# Altium PCB TK2560_PCB.PcbDoc (part 2 of 3) (continued)
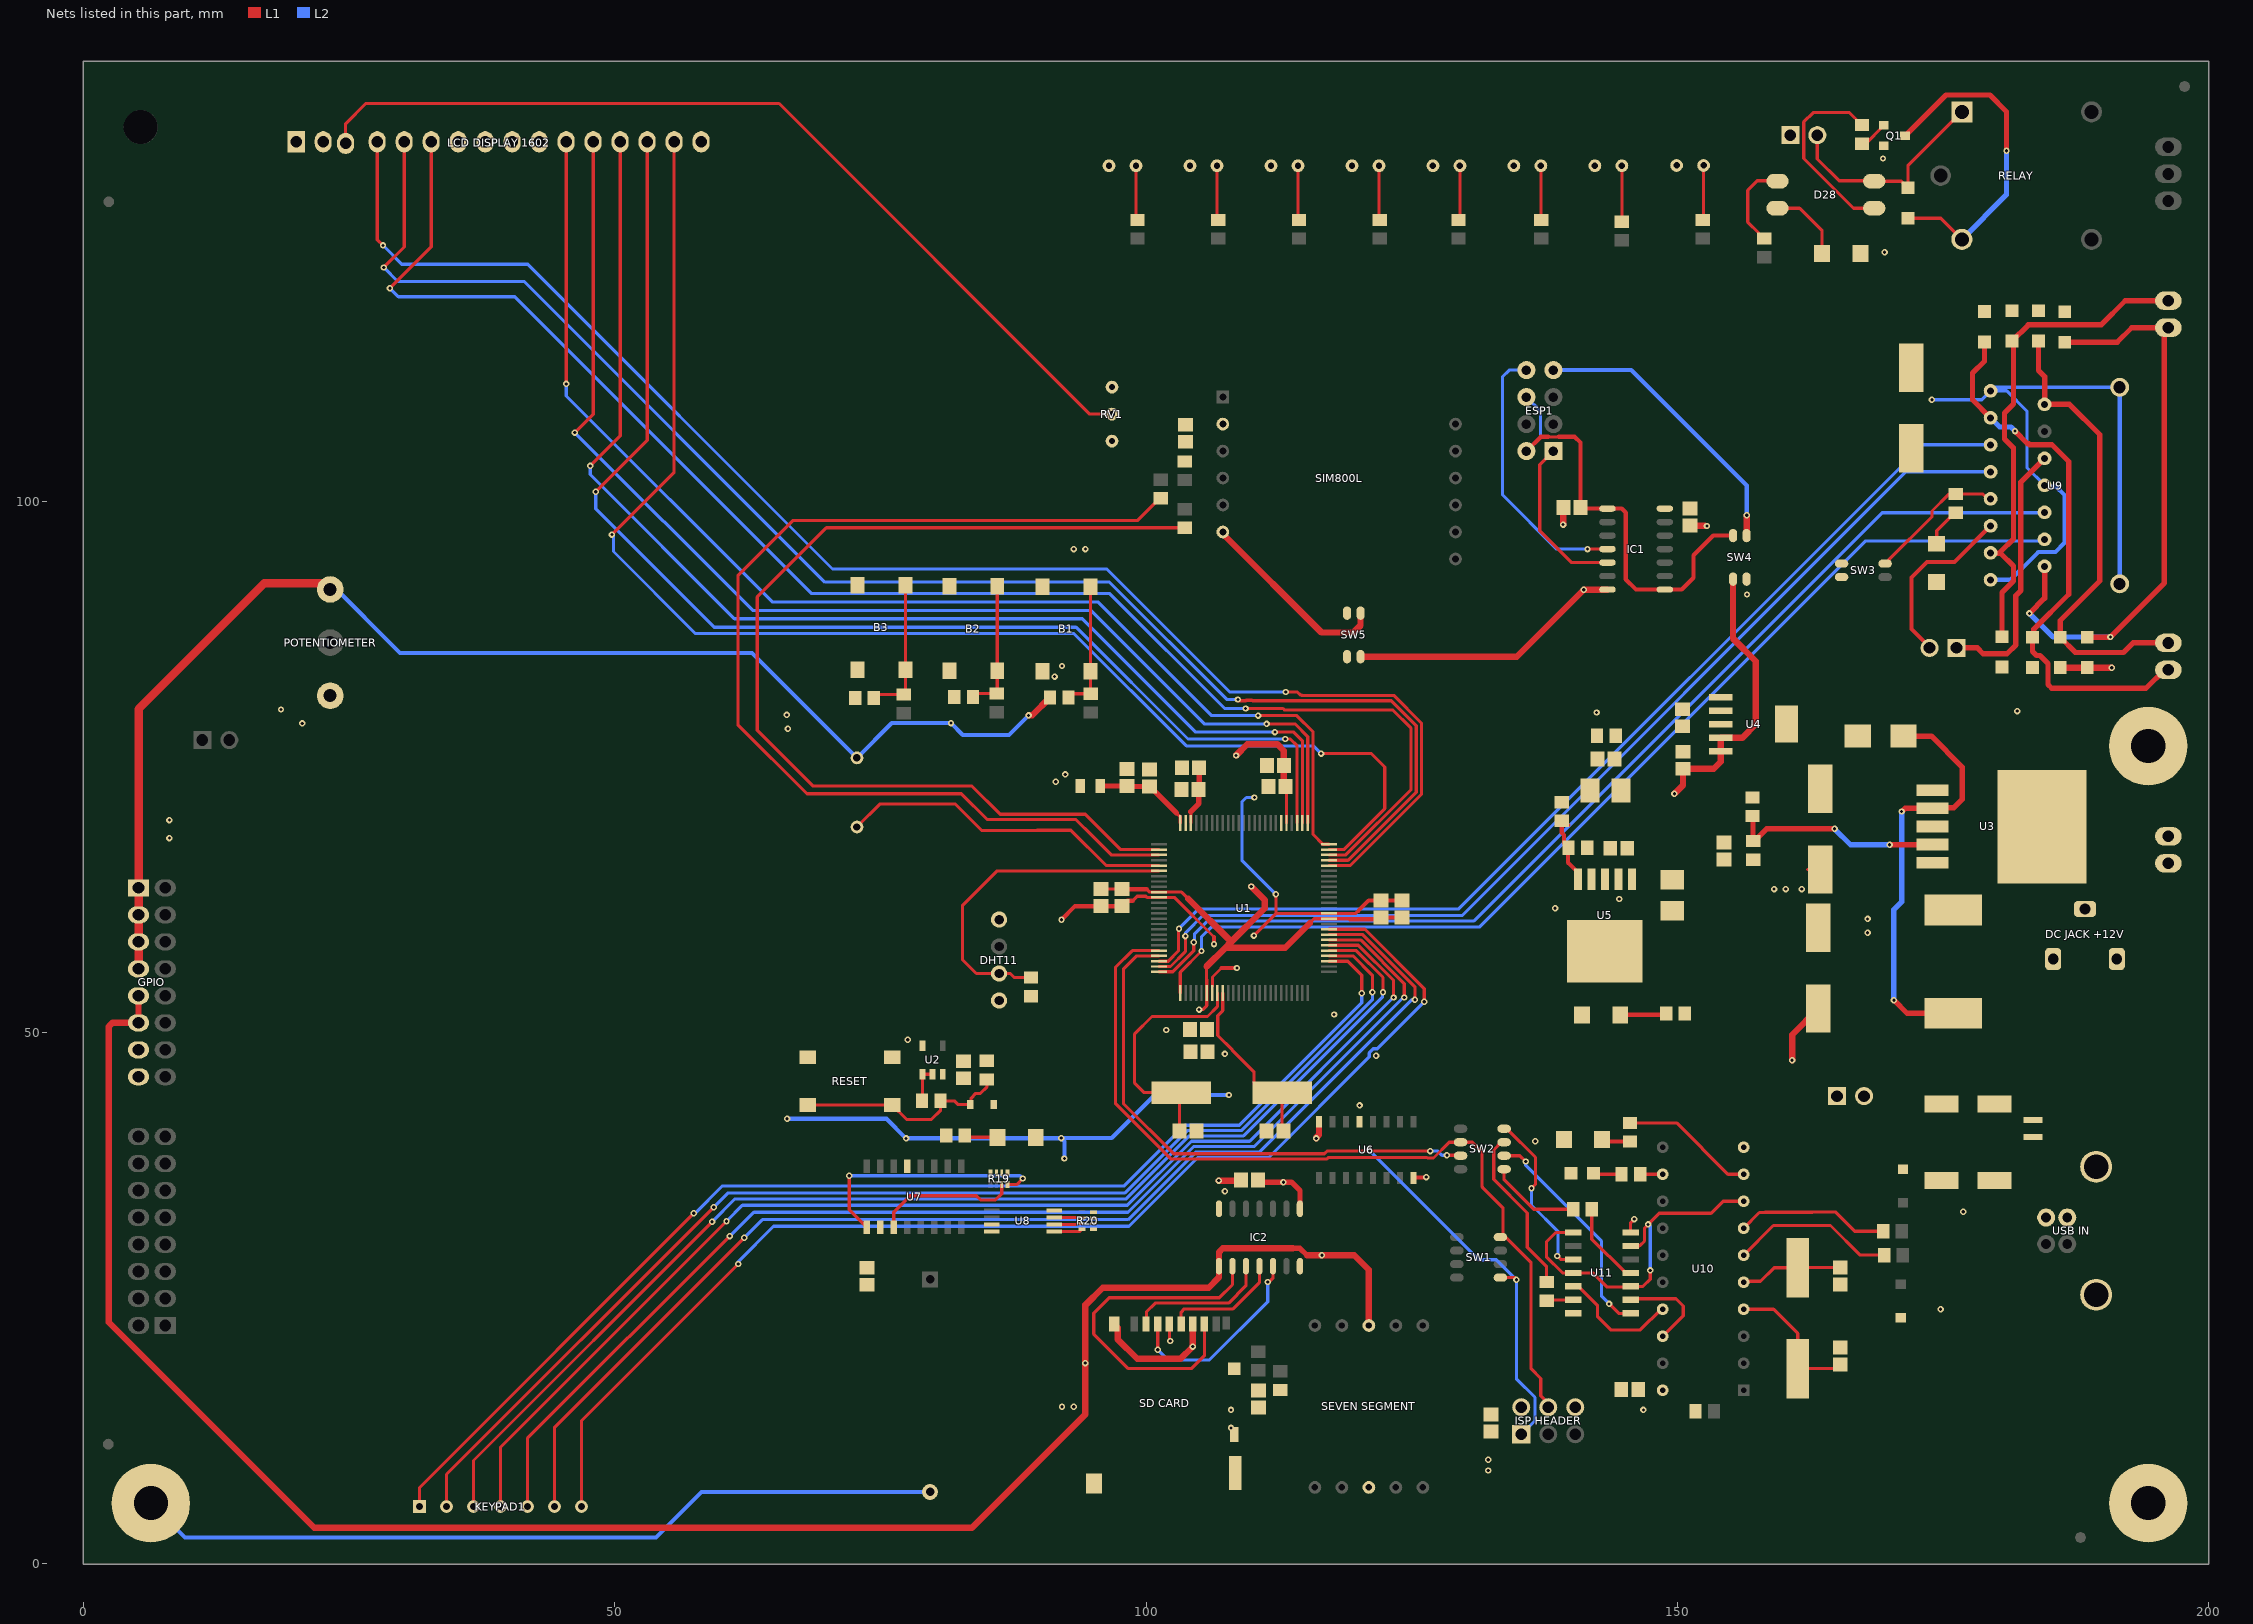
[diagram p2: the nets of this part, all layers, seen from the top]
## Part data (continued)
Y1: library part ABLS-16.000MHZ-16-A-4-H-T, "CRYSTAL 16.0000MHZ 16PF SMD", ESR (Equivalent Series Resistance)="40 Ohms", Frequency Stability=±35ppm, Frequency Tolerance=±30ppm, Load Capacitance=16pF, Manufacturer="Abracon LLC", Operating Mode=Fundamental, Operating Temperature="-10°C ~ 60°C", Package / Case=HC-49/US, Supplier Part Number 1=535-14880-1-ND, ComponentLink1Description=Datasheet, ComponentLink1URL=https://abracon.com/Resonators/abls.pdf, ComponentLink2Description="DigiKey Link", ComponentLink2URL=http://digikey.com/product-detail/en/abracon-llc/ABLS-16.000MHZ-16-A-4-H-T/535-14880-1-ND/9997957, Frequency=16MHz, Height - Seated (Max)="0.165\" (4.20mm)", LastUpdated="02/09/2020 01:21:46", Lifecycle Status=Active, Minimum Order=1, Mounting Type="Surface Mount", Packaging=TapeAndReel, Part Number=ABLS-16.000MHZ-16-A-4-H-T, Part Status=Active, PartId=68, Price=0.12, Series=ABLS, Size / Dimension="0.449\" L x 0.185\" W (11.40mm x 4.70mm)", Supplier 1=DigiKey, Type="MHz Crystal"
Y2: library part ABLS-12.000MHZ-30-A-4-H-T, "CRYSTAL 12.0000MHZ 30PF SMD", ESR (Equivalent Series Resistance)="50 Ohms", Frequency Stability=±35ppm, Frequency Tolerance=±30ppm, Load Capacitance=30pF, Manufacturer="Abracon LLC", Operating Mode=Fundamental, Operating Temperature="-10°C ~ 60°C", Package / Case=HC-49/US, Supplier Part Number 1=535-14871-1-ND, ComponentLink1Description=Datasheet, ComponentLink1URL=https://abracon.com/Resonators/abls.pdf, ComponentLink2Description="DigiKey Link", ComponentLink2URL=http://digikey.com/product-detail/en/abracon-llc/ABLS-12.000MHZ-30-A-4-H-T/535-14871-1-ND/9997948, Frequency=12MHz, Height - Seated (Max)="0.165\" (4.20mm)", LastUpdated="9/2/2020 01:21:46", Lifecycle Status=Active, Minimum Order=1, Mounting Type="Surface Mount", Packaging=TapeAndReel, Part Number=ABLS-12.000MHZ-30-A-4-H-T, Part Status=Active, PartId=82, Price=0.14, Series=ABLS, Size / Dimension="0.449\" L x 0.185\" W (11.40mm x 4.70mm)", Supplier 1=DigiKey, Type="MHz Crystal"
SIM800L: ComponentLink1Description=Shop, ComponentLink1URL=https://store.nerokas.co.ke/index.php?route=product/product&product_id=1266, Supplier1=Nerokas

## Via types
v1: diameter 0.6, hole 0.3, L1 to L2, 218 vias
v2: diameter 0.6, hole 0.3, L1 to L2, tented both sides, 14 vias

## Nets (pads, with @x,y where several pads share a name; then routed paths per layer and width w, separated by ;. In a path a pad name is that pad's centre, name@x,y a point inside that pad or via, vN(x,y) a via of type N, cw(c..) or ccw(c..) an arc to the next point about the centre after c; other vN are vias at no path point)
+3V3: "SD CARD.4" "SEVEN SEGMENT.3" "SEVEN SEGMENT.8" C21.2 C36.2 GPIO.5 GPIO.6 IC2.1 IC2.8 SW4.1 U4.4 U4.5 | length 219.1
  L1 w0.3: 102.2,22.57 102.2,21.05 v1(102.275,20.975)
  L1 w0.5: C36.2@110.525,36.12 110.72,35.925 v1(112.925,35.925) 113.7,35.925 114.485,35.14 IC2.8@114.485,33.425 ; 113.8,29.7 114.497,29.7 115.147,29.05
  L1 w0.6: GPIO.5@5.2,53.46 GPIO.6@5.2,50.92 2.751,50.92 2.4,50.569 2.4,22.75 21.75,3.4 83.625,3.4 94.3,14.075 94.3,18.9 94.3,24.375 95.925,26 105.9,26 106.865,26.965 IC2.1@106.865,28.025 106.865,29.34 107.225,29.7 113.8,29.7 ; 115.147,29.05 v1(116.55,29.05) 119.6,29.05 120.975,27.675 120.975,22.445 ; v1(149.725,72.475) 150.525,73.275 C21.2@150.525,74.825 153.425,74.825 154.075,75.475 U4.5@154.075,76.485 U4.4@154.075,77.755 156.13,77.755 157.375,79 157.375,84.95 155.24,87.085 SW4.1@155.24,92.675
  other v1: 94.275,18.9
+4V1: C24.1 C25.2 R7.2 R8.2 SW5.1 U5.4
+4V1_GSM: C28.2 SIM800L.2 SW5.4
+5: "ISP HEADER.2" "LCD DISPLAY 1602.2" "SD CARD.10" B1.1 B1.2 B2.1 B2.2 B3.1 B3.2 C1.2 C2.2 C3.2 C4.2 C5.2 C6.2 C7.2 C8.2 C13.2 C16.2 C18.1 C19.2 C20.2 C22.1 C23.2 C26.2 C30.2 C31.2 C37.2 D1.2 DHT11.1 FB1.1 GPIO.7 GPIO.8 IC1.14 IC2.14 J6.1 JDVCC.1 L1.2 POTENTIOMETER.1 R1.2 R3.2 R4.2 R5.2 R18.2 R19.5 R19.6 R19.7 R19.8 R20.5 R20.6 R20.7 R20.8 R35.2 RV1.1 SW3.1 U1.10 U1.31 U1.61 U1.80 U2.5 U4.1 U4.2 U5.1 U5.2 U6.16 U7.2 U8.8 U10.20 U11.14 | length 66.1
  L1 w0.3: R1.2@84.875,47.3 R1.2@84.9,47.325 ; C7.2@95.75,63.5 C8.2@97.75,63.5 ; 100.07,63.5 100.35,63.22 U1.10@101.22,63.22 103.35,63.22 103.985,62.585 ; v1(105,52.163) 105.343,52.163 105.72,52.54 105.72,54.987 105.7,55.007 105.7,56.225 ; 107.953,58.478 107.953,58.617 ; U1.80@113.22,69.72 C4.2@113.22,72.905 ; 115.394,60.306 115.807,60.72 U1.61@117.22,60.72 119.15,60.72 119.2,60.67 ; U11.14@145.6,31.195 145.6,32.1 v1(145.95,32.45) ; 162.25,65.35 C18.1@163.425,65.35
  L1 w0.4: 22.58,133.825 22.825,134.07 ; C8.2@97.75,63.5 100.07,63.5 ; 119.2,60.67 121.945,60.67 C2.2@122.1,60.825 C1.2@124.1,60.825 ; U5.2@144.45,64.433 U5.2@144.525,64.358 ; C23.2@145.28,67.345 C23.2@145.72,66.905 ; C22.1@149.477,64.433 C22.1@149.525,64.385 ; C19.2@154.35,66.275 C19.2@154.4,66.275 ; C18.1@162.5,66.275 C18.1@163.425,65.35 ; J6.1@164.955,43.95 J6.1@165.03,44.025
  L1 w0.6: 103.985,62.585 107.953,58.617 ; 105.7,56.225 107.475,58 ; v1(108.475,76.075) 109.525,77.125 112.375,77.125 112.975,76.525 C3.2@112.975,75.15 C4.2@112.975,73.15 ; v1(109.9,63.75) 111.175,62.475 111.175,61.7 107.953,58.478 107.475,58 ; C4.2@113.119,73.152 C4.2@113.364,72.907 ; 115.394,60.306 113.087,58 107.475,58 ; v1(116.025,40.05) 116.025,40.131 116.28,40.386 U6.16@116.28,41.615
  other v1: 132.2,9.8 108,14.5 92.1,14.8 107.425,35.075 77.575,49.325 101.9,50.25 167.9,60.7 138.5,61.7 144.525,62.575 160.2,63.5 8.1,70 92.4,74.3 66.3,78.6 92.1,84.5 93.2,95.5
  other v2: 132.2,8.8 108,12.8 146.8,14.5 93.2,14.8 167.9,59.4 159.1,63.5 161.7,63.5 8.1,68.3 91.5,73.6 20.6,79.1 66.2,79.9 18.6,80.4 91.4,83.5 94.3,95.5
+12: C27.1 D14.2 D15.2 D16.2 D17.2 SW3.2
AREF: C9.2 C10.2 U1.98 | length 5.6
  L1 w0.3: U1.98@104.22,69.72 104.22,70.795
  L1 w0.5: 104.22,70.795 104.975,71.55 104.975,72.84 C10.2@104.94,72.875 105,72.935 C9.2@105,74.925
AVCC: C11.2 C12.2 FB1.2 U1.100 | length 9.3
  L1 w0.3: 102.858,70.658 103.22,70.295 U1.100@103.22,69.72
  L1 w0.5: FB1.2@95.7,73.2 C12.2@98.2,73.2 98.25,73.15 C11.2@100.33,73.15 100.38,73.15 100.88,72.65 100.88,72.635 102.858,70.658
BUFF_EN: U10.8 U11.1 U11.4 U11.10 U11.13 | length 33.6
  L1 w0.3: U11.1@140.2,31.195 138.57,31.195 137.675,30.3 137.675,28.9 139.19,27.385 U11.4@140.2,27.385 142.05,27.385 143.36,26.075 145.56,26.075 U11.10@145.6,26.115 146.765,26.115 147.45,26.8 v1(147.45,27.625) ; U11.13@145.6,29.925 146.45,29.925 146.909,30.384 146.909,31.609 v1(147.25,31.95) 148.3,33 153.175,33 154.305,34.13 U10.8@156.235,34.13
  L2 w0.3: v1(147.45,27.625) v1@147.45,31.775
BUZZER_PWM: BUZZER.1 U1.5 | length 32.2
  L1 w0.3: BUZZER.1@73.125,69.025 BUZZER.1@72.8,69.35 74.975,71.525 82.025,71.525 84.525,69.025 89.75,69.025 89.775,69.05 92.925,69.05 96.255,65.72 U1.5@101.22,65.72
D+: R37.2 U10.6 | length 15.5
  L1 w0.3: U10.6@156.235,29.05 159.035,31.85 164.413,31.85 167.2,29.063 R37.2@169.463,29.063
D-: R36.2 U10.7 | length 14.5
  L1 w0.3: U10.7@156.235,31.59 157.72,33.075 158.225,33.075 158.25,33.1 162.725,33.1 162.75,33.125 164.875,33.125 166.7,31.3 R36.2@169.375,31.3
DHT_DATA: DHT11.2 R3.1 U1.6 | length 32.1
  L1 w0.3: R3.1@89.175,55.175 87.625,55.175 87.24,55.56 DHT11.2@86.175,55.56 84.04,55.56 82.725,56.875 82.725,61.95 85.995,65.22 U1.6@101.22,65.22
GND: "DC JACK +12V.2" "DC JACK +12V.3" "ISP HEADER.6" "LCD DISPLAY 1602.1" "LCD DISPLAY 1602.7" "LCD DISPLAY 1602.8" "LCD DISPLAY 1602.9" "LCD DISPLAY 1602.10" "LCD DISPLAY 1602.16" "SD CARD.6" "SD CARD.S" "USB IN.4" "USB IN.S" BH1.1 BUZZER.2 C1.1 C2.1 C3.1 C4.1 C5.1 C6.1 C7.1 C8.1 C9.1 C10.1 C11.1 C12.1 C13.1 C14.1 C15.1 C16.1 C17.2 C18.2 C19.1 C20.1 C21.1 C22.2 C23.1 C24.2 C25.1 C26.1 C27.2 C28.1 C29.1 C30.1 C31.1 C32.2 C33.2 C34.2 C35.2 C36.1 C37.1 D2.1 D3.2 D13.2 D18.2 D19.1 D20.1 D21.1 D22.1 D23.2 D24.2 D25.1 D26.1 D29.2 DHT11.4 GPIO.1 GPIO.2 GPIO.3 GPIO.4 IC1.7 IC2.7 J14.2 LED1.2 LED2.2 LED3.2 LED4.2 LED5.2 LED6.2 LED7.2 LED8.2 MH1.1 MH2.1 MH3.1 POTENTIOMETER.3 Q1.2 R6.1 R8.1 R9.1 R23.2 R25.2 R27.2 R30.1 R39.2 RESET.1 RESET.2 RV1.3 SW4.2 SW5.2 U1.11 U1.32 U1.62 U1.81 U1.99 U2.3 U3.3 U3.5 U4.3 U4.6 U5.3 U5.6 U6.8 U6.13 U7.13 U8.4 U8.7 U9.1 U9.8 U9.15 U9.G U10.10 U11.7 | length 419.1
  L1 w0.3: 98.756,62.4 99.18,62.824 99.985,62.824 100.089,62.72 U1.11@101.22,62.72 102.674,62.72 106.4,58.994 ; U1.32@106.255,54.33 106.255,55.23 107.1,56.075 ; v1(112.225,63.025) 112.225,61.203 v1(110.15,59.128) 110.15,59.1 112.27,61.22 U1.62@117.22,61.22 119.745,61.22 120,61.475
  L1 w0.4: v1(92.05,60.625) 93.325,61.9 C7.1@95.75,61.9 C8.1@97.75,61.9 98.25,62.4 98.756,62.4 ; v1(106.4,58.325) 106.4,58.994 ; 107.1,56.075 v1(108.55,56.075) ; C36.1@108.9,36.075 108.925,36.1 C36.1@108.925,36.12 ; 120,61.475 120.95,62.425 C2.1@122.1,62.425 C1.1@124.1,62.425 ; U6.8@125.17,36.335 125.203,36.368 126.343,36.368 v1(126.375,36.4)
  L1 w0.6: v1(88.95,79.85) 89.285,79.85 R23.2@90.965,81.53 ; 97,22.57 97.35,22.22 97.35,21.125 99.175,19.3 103.25,19.3 v1(104.4,20.45) 104.4,22.57 ; C28.1@103.65,105.55 C28.1@103.7,105.6 ; v1(106.85,36.075) C36.1@108.9,36.075 ; SW5.2@120.185,85.375 134.9,85.375 v1(141.2,91.675) 141.208,91.683 143.412,91.683 IC1.7@143.42,91.69 ; v1(139.25,97.8) 139.275,97.825 C29.1@139.275,99.4 ; C30.1@151.2,97.71 152.59,97.71 152.625,97.675 v1(152.775,97.675) ; v1(160.8,47.4) 160.8,49.8 C17.2@163.275,52.275 ; D19.1@186.025,84.345 D22.1@188.575,84.345 188.595,84.325 v1(190.875,84.325)
  L1 w0.8: GPIO.4@5.2,56 GPIO.3@5.2,58.54 GPIO.2@5.2,61.08 GPIO.1@5.2,63.62 5.2,80.45 17.05,92.3 POTENTIOMETER.3@23.237,92.3
  L2 w0.3: v1(110.2,72.125) 109.45,72.125 109.025,71.7 109.025,66.225 v1(112.225,63.025) ; v1(173.95,109.55) 178.636,109.55 U9.1@179.476,110.39 ; U9.8@184.556,101.5 182.9,103.156 182.9,108.475 180.985,110.39 U9.1@179.476,110.39 ; U9.G@191.62,110.72 179.806,110.72 U9.1@179.476,110.39
  L2 w0.4: MH3.1@6.35,5.725 9.575,2.5 53.9,2.5 58.175,6.775 BH1.1@79.675,6.775 ; POTENTIOMETER.3@23.237,92.3 29.812,85.725 62.925,85.725 BUZZER.2@72.8,75.85 76.075,79.125 v1(81.65,79.125) 82.762,78.013 87.113,78.013 v1(88.95,79.85) ; v1(66.225,41.9) 75.575,41.9 v1(77.425,40.05) 92,40.05 v1(92.025,40.075) ; v1(92.325,38.15) 92.325,39.775 v1(92.025,40.075) ; v1(107.8,44.125) 100.825,44.125 96.775,40.075 v1(92.025,40.075) ; U9.15@179.476,92.61 181.353,92.61 183.969,95.225 185.575,95.225 186.438,96.087 186.438,100.588 185.656,101.369 184.687,101.369 U9.8@184.556,101.5 ; U9.G@191.62,92.226 U9.G@191.62,110.72
  other v1: 174.775,23.975 176.9,33.15 136.625,39.775 120.1,43.15 121.65,47.825 107.425,48 117.7,51.7 142.4,80.125 181.975,80.25 156.55,91.225 169.5,123.425 169.35,132.25
GND_GSM: SIM800L.6 SW5.3 | length 18.3
  L1 w0.6: SIM800L.6@107.23,97.1 107.23,96.939 116.519,87.65 119.525,87.65 120.185,88.31 SW5.3@120.185,89.344
GND_WIFI: ESP1.1 SW4.3 | length 27.4
  L1 w0.3: SW4.3@156.51,96.775 SW4.3@156.518,96.782 ; v1@156.518,98.667 v1(156.525,98.675)
  L1 w0.6: SW4.3@156.518,96.782 v1@156.518,98.667
  L2 w0.4: ESP1.1@138.34,112.34 145.66,112.34 156.525,101.475 v1(156.525,98.675)
GSM_RX: R28.1 U1.3 | length 101.6
  L1 w0.3: U1.3@101.22,66.72 96.7,66.72 96.7,66.775 94.288,69.187 94.263,69.187 93.4,70.05 85.05,70.05 82.625,72.475 68.1,72.475 61.6,78.975 61.6,93 66.8,98.2 99.225,98.2 101.3,100.275 R28.1@101.4,100.275
GSM_TX: R29.1 U1.2 | length 97.9
  L1 w0.3: U1.2@101.22,67.22 97.63,67.22 94.3,70.55 86.275,70.55 83.625,73.2 68.675,73.2 63.425,78.45 63.425,91 69.925,97.5 R29.1@103.65,97.5
ISP_LED1: R33.2 U10.9 | length 12.7
  L1 w0.3: R33.2@145.55,41.5 149.925,41.5 154.755,36.67 U10.9@156.235,36.67
ISP_LED2: R31.1 U10.12 | length 2.1
  L1 w0.3: R31.1@146.5,36.675 146.505,36.67 U10.12@148.615,36.67
ISP_SPI.ISP_MISO: SW2.6 U11.8 | length 21.3
  L1 w0.3: SW2.6@133.7,38.415 135.185,38.415 v1(135.725,37.875) ; v1(143.575,24.475) 144.475,23.575 U11.8@145.6,23.575
  L2 w0.3: v1(135.725,37.875) 135.725,37.5 142.875,30.35 142.875,25.175 v1(143.575,24.475)
ISP_SPI.ISP_MOSI: R32.1 SW2.7 | length 15.8
  L1 w0.3: SW2.7@133.7,39.685 133.445,39.685 132.715,38.955 132.715,36.185 135.875,33.025 135.875,29.8 137.7,27.975 R32.1@137.7,26.525
ISP_SPI.ISP_RST: SW2.8 U11.3 | length 16.2
  L1 w0.3: SW2.8@133.7,40.955 133.955,40.955 136.655,38.255 136.655,35.73 v1(136.275,35.35) ; v1(138.7,28.975) 139.02,28.655 U11.3@140.2,28.655
  L2 w0.3: v1(136.275,35.35) 136.275,33.775 138.775,31.275 138.775,29.05 v1(138.7,28.975)
ISP_SPI.ISP_SCK: R34.1 SW2.5 | length 8.6
  L1 w0.3: SW2.5@133.7,37.145 133.7,36.15 136.475,33.375 R34.1@140.2,33.375
KEYPAD.COL1: KEYPAD1.1 U1.53 | length 115.6
  L1 w0.3: KEYPAD1.1@31.635,5.4 31.635,7.185 v1(57.45,33) ; U1.53@117.22,56.72 118.98,56.72 120.3,55.4 v1(120.3,53.7)
  L2 w0.3: v1(57.45,33) 57.575,33 60.1,35.525 60.1,35.575 97.957,35.575 103.661,41.279 103.9,41.279 ; 103.9,41.287 108.782,41.287 120.3,52.806 v1(120.3,53.7)
KEYPAD.COL2: KEYPAD1.2 U1.54 | length 115.8
  L1 w0.3: KEYPAD1.2@34.175,5.4 34.175,8.425 v1(59.325,33.575) ; U1.54@117.22,57.22 119.48,57.22 121.3,55.4 v1(121.3,53.8)
  L2 w0.3: v1(59.325,33.575) 60.65,34.9 97.989,34.9 103.868,40.779 108.98,40.779 121.3,53.099 v1(121.3,53.8)
KEYPAD.COL3: KEYPAD1.3 U1.55 | length 115.9
  L1 w0.3: KEYPAD1.3@36.715,5.4 36.715,9.74 v1(59.175,32.2) ; U1.55@117.22,57.72 119.78,57.72 122.3,55.2 v1(122.3,53.8)
  L2 w0.3: v1(59.175,32.2) 61.325,34.35 98.147,34.35 104.075,40.279 109.187,40.279 122.243,53.334 122.243,53.743 v1(122.3,53.8)
KEYPAD.ROW1: KEYPAD1.4 U1.56 | length 116.2
  L1 w0.3: KEYPAD1.4@39.255,5.4 39.255,10.98 v1(60.525,32.25) ; U1.56@117.22,58.22 119.987,58.22 123.3,54.907 v1(123.3,53.3)
  L2 w0.3: v1(60.525,32.25) 62.025,33.75 98.254,33.75 104.282,39.779 109.754,39.779 123.275,53.3 v1(123.3,53.3)
KEYPAD.ROW2: KEYPAD1.5 U1.57 | length 116.2
  L1 w0.3: KEYPAD1.5@41.795,5.4 41.795,11.82 v1(60.825,30.85) ; U1.57@117.22,58.72 120.194,58.72 124.3,54.614 v1(124.3,53.3)
  L2 w0.3: v1(60.825,30.85) 60.85,30.85 63.1,33.1 98.311,33.1 104.489,39.279 110.198,39.279 124.219,53.3 v1(124.3,53.3)
KEYPAD.ROW3: KEYPAD1.6 U1.58 | length 116.4
  L1 w0.3: KEYPAD1.6@44.335,5.4 44.335,12.835 v1(62.2,30.7) ; U1.58@117.22,59.22 120.401,59.22 125.3,54.321 v1(125.3,53.1)
  L2 w0.3: v1(62.2,30.7) 63.9,32.4 98.318,32.4 104.668,38.75 110.669,38.75 125.019,53.1 v1(125.3,53.1)
KEYPAD.ROW4: KEYPAD1.7 U1.59 | length 116.6
  L1 w0.3: KEYPAD1.7@46.88,5.4 46.88,13.48 v1(61.625,28.225) ; U1.59@117.22,59.72 120.608,59.72 126.185,54.144 v1(126.185,52.9)
  L2 w0.3: v1(61.625,28.225) 61.625,28.45 64.95,31.775 98.4,31.775 104.875,38.25 111.535,38.25 121,47.715 121,48.094 121.381,48.475 121.76,48.475 v1(126.185,52.9)
LCD.LCD_BL: "LCD DISPLAY 1602.15" U1.74 | length 133
  L1 w0.3: v1(49.745,96.86) 55.6,102.715 55.6,133.825 ; v1(116.475,76.25) 121.215,76.25 122.468,74.997 122.468,71.082 118.605,67.22 U1.74@117.22,67.22
  L2 w0.3: v1(49.745,96.86) 49.851,96.966 49.893,96.925 49.893,95.267 57.61,87.55 93.225,87.55 103.8,76.975 115.75,76.975 v1(116.475,76.25)
LCD.LCD_DB4: "LCD DISPLAY 1602.11" U1.75 | length 118.8
  L1 w0.3: v1(45.44,111.04) 45.44,133.825 ; v1(110.55,79.825) 114.189,79.825 115.725,78.289 115.725,68.64 116.645,67.72 U1.75@117.22,67.72
  L2 w0.3: v1(45.44,111.04) 45.44,109.905 64.82,90.525 95.475,90.525 106.175,79.825 v1(110.55,79.825)
LCD.LCD_DB5: "LCD DISPLAY 1602.12" U1.76 | length 117
  L1 w0.3: v1(46.25,106.455) 47.98,108.185 47.98,133.825 ; v1(111.35,79.05) 114.025,79.05 115.22,77.855 U1.76@115.22,69.72
  L2 w0.3: v1(46.25,106.455) 62.98,89.725 94.8,89.725 105.475,79.05 v1(111.35,79.05)
LCD.LCD_DB6: "LCD DISPLAY 1602.13" U1.77 | length 117.6
  L1 w0.3: v1(47.7,103.325) 50.52,106.145 50.52,133.825 ; v1(112.125,78.275) 113.92,78.275 114.72,77.475 U1.77@114.72,69.72
  L2 w0.3: v1(47.7,103.325) 47.7,102.515 61.265,88.95 94,88.95 104.675,78.275 v1(112.125,78.275)
LCD.LCD_DB7: "LCD DISPLAY 1602.14" U1.78 | length 119
  L1 w0.3: v1(48.225,100.9) 53.06,105.735 53.06,133.825 ; v1(113.1,77.625) 113.575,77.625 114.22,76.98 U1.78@114.22,69.72
  L2 w0.3: v1(48.225,100.9) 48.225,99.3 59.375,88.15 93.425,88.15 103.95,77.625 v1(113.1,77.625)
LCD.LCD_E: "LCD DISPLAY 1602.6" U1.73 | length 144.7
  L1 w0.3: v1(28.85,120.05) 32.74,123.94 32.74,133.825 ; v1(109.375,80.5) 112.9,80.5 113.05,80.35 123.243,80.35 124.925,78.668 124.925,72.833 118.812,66.72 U1.73@117.22,66.72
  L2 w0.3: v1(28.85,120.05) 29.65,119.25 40.6,119.25 68.538,91.312 96.588,91.312 107.4,80.5 v1(109.375,80.5)
LCD.LCD_RS: "LCD DISPLAY 1602.4" U1.71 | length 144.5
  L1 w0.3: 27.66,133.825 27.66,124.615 v1(28.2,124.075) ; v1(113.15,82.05) 114.232,82.05 114.5,81.782 114.604,81.782 114.657,81.729 123.314,81.729 125.925,79.118 125.925,72.419 119.226,65.72 U1.71@117.22,65.72
  L2 w0.3: v1(28.2,124.075) 29.975,122.3 41.825,122.3 70.5,93.625 96.3,93.625 107.875,82.05 v1(113.15,82.05)
LCD.LCD_RW: "LCD DISPLAY 1602.5" U1.72 | length 144.8
  L1 w0.3: v1(28.275,122) 30.2,123.925 30.2,133.825 ; v1(108.65,81.35) 108.771,81.229 109.384,81.229 109.431,81.275 109.969,81.275 110.016,81.229 123.071,81.229 125.425,78.875 125.425,72.626 119.019,66.22 U1.72@117.22,66.22
  L2 w0.3: v1(28.275,122) 29.6,120.675 41.5,120.675 69.788,92.387 96.563,92.387 107.6,81.35 v1(108.65,81.35)
MISO: "ISP HEADER.1" SW1.1 SW2.3 U1.22 | length 86.7
  L1 w0.3: U1.22@101.22,57.22 99.12,57.22 97.875,55.975 97.875,43.325 102.6,38.6 116.784,38.6 117.034,38.85 v1(126.75,38.85) ; v1(128.318,38.457) 129.558,38.457 SW2.3@129.6,38.415 ; SW1.1@133.35,26.945 134.655,26.945 v1(134.85,26.75)
  L2 w0.3: v1(121.025,38.925) 131.325,28.625 132.975,28.625 v1(134.85,26.75) 134.85,17.425 136.6,15.675 136.6,13.495 135.31,12.205 ; v1(126.75,38.85) 127.45,38.85 127.843,38.457 v1(128.318,38.457)
MISO': U10.18 U11.9 | length 8.9
  L1 w0.3: U11.9@145.6,24.845 145.705,24.95 149.875,24.95 150.55,24.275 150.55,23.365 U10.18@148.615,21.43
MOSI: "ISP HEADER.4" SW1.4 SW2.2 U1.21 | length 82.2
  L1 w0.3: U1.21@101.22,57.72 98.72,57.72 97.125,56.125 97.125,43.35 102.375,38.1 116.991,38.1 117.136,38.245 126.436,38.245 126.481,38.2 127.058,38.2 128.543,39.685 SW2.2@129.6,39.685 130.699,39.685 131.625,38.759 131.625,35.5 131.675,35.45 131.675,35.393 133.6,33.468 SW1.4@133.6,30.775 ; SW1.4@133.35,30.755 133.842,30.755 136.237,28.36 136.237,18.363 137.15,17.45 137.15,15.824 137.85,15.124 137.85,14.745
MOSI': U10.17 U11.5 | length 11.5
  L1 w0.3: U11.5@140.2,26.115 140.675,26.115 142.5,24.29 142.5,23.25 143.725,22.025 146.525,22.025 148.47,23.97 U10.17@148.615,23.97
MOTOR_IN1: U1.23 U9.5 | length 99.6
  L1 w0.3: U1.23@101.22,56.72 102.09,56.72 103.055,57.685 103.055,59.73 v1(103.1,59.775)
  L2 w0.3: v1(103.1,59.775) 104.966,61.641 129.441,61.641 173.11,105.31 U9.5@179.476,105.31
MOTOR_IN2: U1.24 U9.7 | length 98.6
  L1 w0.3: U1.24@101.22,56.22 102.307,56.22 103.705,57.618 v1(103.705,59.078)
  L2 w0.3: v1(103.705,59.078) 103.725,59.098 103.725,59.4 105.341,61.016 129.756,61.016 171.51,102.77 U9.7@179.476,102.77
MOTOR_IN3: U1.25 U9.10 | length 102.1
  L1 w0.3: U1.25@101.22,55.72 102.514,55.72 104.5,57.706 v1(104.5,58.5)
  L2 w0.3: v1(104.5,58.5) 104.55,58.55 104.55,59.25 105.816,60.516 130.876,60.516 169.285,98.925 184.521,98.925 U9.10@184.556,98.96
MOTOR_IN4: U1.26 U9.12 | length 101
  L1 w0.3: U1.26@103.22,53.72 103.22,55.67 v1(105.225,57.675)
  L2 w0.3: v1(105.225,57.675) 105.225,59.025 106.125,59.925 131.36,59.925 167.685,96.25 184.386,96.25 U9.12@184.556,96.42
NetB1_3: B1.3 B1.4 R22.1 R23.1 | length 12.4
  L1 w0.3: R23.1@92.715,81.53 93.065,81.88 R22.1@94.815,81.88 94.765,81.93 B1.3@94.765,84.025 B1.4@94.765,91.975
NetB2_3: B2.3 B2.4 R24.1 R25.1 | length 12.5
  L1 w0.3: R25.1@83.715,81.58 84.04,81.905 R24.1@85.94,81.905 86,81.965 B2.3@86,84.05 B2.4@86,92
NetB3_3: B3.3 B3.4 R26.1 R27.1 | length 13.3
  L1 w0.3: R27.1@74.39,81.48 74.715,81.805 R26.1@77.19,81.805 77.36,81.975 B3.3@77.36,84.15 B3.4@77.36,92.1
NetC14_2: C14.2 U1.33 Y1.2 | length 23.2
  L1 w0.3: C14.2@103.15,40.725 103.15,44.2 Y1.2@103.3,44.35 99.825,44.35 98.929,45.246 98.929,49.879 100.563,51.513 105.787,51.513 106.72,52.446 U1.33@106.72,53.72
NetC15_2: C15.2 U1.34 Y1.1 | length 16.8
  L1 w0.3: U1.34@107.22,53.72 107.22,52.068 106.75,51.598 106.75,49.725 108.105,48.37 108.105,48.358 108.486,47.977 108.498,47.977 110.15,46.325 110.15,45.25 111.05,44.35 Y1.1@112.8,44.35 112.8,40.875 C15.2@112.95,40.725
NetC17_1: "DC JACK +12V.1" C17.1 J14.1 U3.1
NetC29_2: C29.2 ESP1.6 ESP1.8 IC1.1 IC1.8 SW4.4 | length 42.8
  L1 w0.3: 137.843,106.06 138.837,106.06
  L1 w0.4: ESP1.8@135.8,104.72 137.155,106.075 137.828,106.075 137.843,106.06 ; 138.837,106.06 138.852,106.075 140.325,106.075 140.875,105.525 C29.2@140.875,99.4 140.965,99.31 IC1.1@143.42,99.31 144.765,99.31 145.15,98.925 145.15,92.65 146.11,91.69 IC1.8@148.82,91.69 150.41,91.69 151.522,92.802 151.522,94.922 153.375,96.775 SW4.4@155.24,96.775
  L2 w0.3: ESP1.8@135.8,104.72 137.134,106.054 137.134,108.466 ESP1.6@135.8,109.8
NetC32_1: C32.1 U10.4 Y2.2 | length 13.5
  L1 w0.3: U10.4@156.235,23.97 159.055,23.97 161.325,21.7 Y2.2@161.325,18.38 164.925,18.38 C32.1@165.325,18.78
NetC33_1: C33.1 U10.5 Y2.1 | length 9.7
  L1 w0.3: U10.5@156.235,26.51 156.325,26.6 157.825,26.6 159.105,27.88 Y2.1@161.325,27.88 161.35,27.905 C33.1@165.325,27.905
NetC34_1: "USB IN.1" C34.1 L2.1
NetC35_1: C35.1 J6.2 L2.2
NetD1_1: D1.1 R1.1 R2.1 RESET.3 RESET.4 | length 20.5
  L1 w0.3: RESET.3@68.175,43.175 RESET.4@76.125,43.175 77.475,41.825 79.8,41.825 80.675,42.7 R2.1@80.675,43.575 81.975,43.575 82.325,43.225 D1.1@83.463,43.225 83.537,43.3 83.537,43.831 83.981,44.275 84.425,44.275 85.025,44.875 R1.1@85.025,45.6
NetD2_2: D2.2 L1.1 U3.2 | length 40.1
  L1 w0.5: v1(170.375,53.05) 171.6,51.825 L1.1@175.975,51.825 ; v1(171.1,70.8) 171.127,70.8 171.425,71.098 U3.2@174,71.098 174.052,71.15 176,71.15 176.8,71.95 176.8,75 173.9,77.9 171.3,77.9 D2.2@171.275,77.925
  L2 w0.5: v1(170.375,53.05) 170.375,61.576 171.1,62.301 v1(171.1,70.8)
NetD3_1: D3.1 R5.1 | length 4.4
  L1 w0.4: D3.1@144.625,51.675 148.825,51.675 R5.1@148.95,51.8
NetD13_1: D13.1 R18.1 | length 3.1
  L1 w0.3: R18.1@82.95,40.325 83.125,40.15 D13.1@86.025,40.15
NetD14_1: D14.1 D19.2 J4.1 U9.2 | length 44.3
  L1 w0.5: D14.1@183.975,115.07 183.975,112.319 184.556,111.738 U9.2@184.556,109.12 186.905,109.12 189.75,106.275 189.75,92.5 186.025,88.775 D19.2@186.025,87.205 187.455,85.775 191.975,85.775 192.87,86.67 J4.1@196.2,86.67
NetD15_1: D15.1 D20.2 J4.2 U9.3 | length 52.8
  L1 w0.5: D15.1@178.9,114.995 178.9,113.175 177.775,112.05 177.775,109.551 U9.3@179.476,107.85 U9.3@179.551,107.775 ; v1(181.775,106.6) 182.975,105.4 183.075,105.4 183.15,105.325 185.225,105.325 186.825,103.725 186.825,91.25 183.525,87.95 183.525,87.305 D20.2@183.425,87.205 183.425,85.855 183.787,85.493 184.113,85.493 184.875,84.731 184.875,82.75 185.225,82.4 194.095,82.4 195.825,84.13 J4.2@196.2,84.13
  L2 w0.5: U9.3@179.476,107.85 180.338,106.988 181.387,106.988 v1(181.775,106.6)
NetD16_1: D16.1 D21.2 J5.1 U9.13 | length 47.3
  L1 w0.5: U9.13@179.476,95.15 179.526,95.1 180.429,95.1 ; D21.2@180.55,87.255 180.55,91.413 181.625,92.488 181.625,93.904 180.429,95.1 ; J5.1@196.2,118.87 192.145,118.87 189.875,116.6 183.03,116.6 D16.1@181.5,115.07 181.625,114.945 181.625,109.15 180.775,108.3 180.775,105.875 181.625,105.025 181.625,96.45 180.429,95.254 180.429,95.1
NetD17_1: D17.1 D22.2 J5.2 U9.14 | length 57.3
  L1 w0.5: v1(183.125,89.45) 184.556,90.881 U9.14@184.556,93.88 ; D17.1@186.45,114.97 191.395,114.97 192.755,116.33 J5.2@195.825,116.33 ; D22.2@188.575,87.205 188.585,87.215 190.74,87.215 v1(190.75,87.225) 195.825,92.3 J5.2@195.825,116.33 ; J5.2@196.2,116.33 J5.2@195.825,116.33
  L2 w0.5: v1(183.125,89.45) 185.35,87.225 v1(190.75,87.225)
NetD18_1: D18.1 R21.1 | length 3.7
  L1 w0.3: D18.1@174.4,96 174.4,97.225 176.1,98.925 R21.1@176.2,98.925
NetD23_1: D23.1 R31.2 | length 2.7
  L1 w0.3: D23.1@142.1,36.775 142.2,36.675 R31.2@144.75,36.675
NetD24_1: D24.1 R33.1 | length 2.7
  L1 w0.4: D24.1@142.925,39.925 143.1,39.75 R33.1@145.55,39.75
NetD27_1: D27.1 Q1.3 RELAY.A2 | length 31.4
  L1 w0.3: D27.1@171.692,126.629 174.787,126.629 RELAY.A2@176.772,124.644
  L1 w0.5: Q1.3@171.422,134.409 171.472,134.409 175.288,138.225 179.4,138.225 180.975,136.65 v1(180.975,132.975)
  L2 w0.5: RELAY.A2@176.772,124.644 180.975,128.847 v1(180.975,132.975)
NetD27_2: D27.2 D28.4 JDVCC.2 RELAY.A1 | length 21.1
  L1 w0.3: JDVCC.2@163.172,134.444 163.172,132.203 165.225,130.15 168.486,130.15 D28.4@168.522,130.114 171.067,130.114 D27.2@171.692,129.489 171.692,131.564 RELAY.A1@176.772,136.644
NetD28_1: D28.1 R40.1 | length 8.4
  L1 w0.3: R40.1@158.172,124.719 158.072,124.719 157.647,125.144 157.647,125.244 156.625,126.266 156.625,129.25 157.525,130.15 159.386,130.15 D28.1@159.422,130.114
NetD28_2: D28.2 D29.1 | length 7.2
  L1 w0.3: D28.2@159.422,127.574 161.501,127.574 163.625,125.45 D29.1@163.625,123.325
NetD28_3: D28.3 R41.2 | length 18.3
  L1 w0.3: R41.2@167.375,135.4 166.2,136.575 162.775,136.575 161.9,135.7 161.9,132.25 166.576,127.574 D28.3@168.522,127.574
NetESP1_4: ESP1.4 IC1.5 | length 15.6
  L1 w0.3: ESP1.4@138.34,104.72 137.05,103.43 137.05,97.23 140.05,94.23 IC1.5@143.42,94.23
NetESP1_5: ESP1.5 IC1.4 | length 25.6
  L1 w0.3: v1(141.55,95.5) IC1.4@143.42,95.5
  L2 w0.3: ESP1.5@135.8,112.34 134.165,112.34 133.55,111.725 133.55,100.6 138.65,95.5 v1(141.55,95.5)
NetIC2_2: "SD CARD.7" IC2.2 | length 33.1
  L1 w0.3: 105.5,22.57 105.5,19.6 104.3,18.4 98.3,18.4 95.075,21.625 95.075,23.6 96.525,25.05 106.9,25.05 108.135,26.285 IC2.2@108.135,28.025
NetIC2_3: "SD CARD.2" IC2.3 | length 13.4
  L1 w0.3: 100,22.57 100.05,22.62 100.05,23.725 100.875,24.55 107.775,24.55 109.405,26.18 IC2.3@109.405,28.025
NetIC2_4: "SD CARD.5" IC2.4 | length 11.2
  L1 w0.3: 103.3,22.57 103.3,23.7 103.6,24 108.2,24 110.675,26.475 IC2.4@110.675,28.025
NetIC2_5: "SD CARD.3" IC2.5 | length 19.6
  L1 w0.3: v1(101.1,20.15) 101.1,22.57 101.1,23.1 ; v1(111.45,26.53) 111.6,26.53 111.945,26.875 IC2.5@111.945,28.025
  L2 w0.3: v1(101.1,20.15) 102.046,19.204 105.971,19.204 111.45,24.682 v1(111.45,26.53)
NetJ3_1: J3.1 U9.6 | length 24.8
  L1 w0.5: J3.1@176.27,86.2 178.225,86.2 178.775,85.65 181.025,85.65 181.85,86.475 181.85,91.125 182.325,91.6 182.325,101.809 U9.6@184.556,104.04
NetJ3_2: J3.2 U9.11 | length 16.8
  L1 w0.4: J3.2@173.73,86.2 173.73,86.27 172.025,87.975 172.025,92.825 173.482,94.282 176.068,94.282 U9.11@179.476,97.69
"NetLCD DISPLAY 1602_3": "LCD DISPLAY 1602.3" RV1.2 | length 87.1
  L1 w0.3: 24.688,133.473 24.688,133.673 24.688,135.538 26.575,137.425 65.475,137.425 94.7,108.2 RV1.2@96.8,108.2
NetLED1_1: LED1.1 R17.1 | length 5.2
  L1 w0.3: LED1.1@99.06,131.57 99.06,126.615 R17.1@99.2,126.475
NetLED2_1: LED2.1 R16.1 | length 5.1
  L1 w0.3: LED2.1@106.68,131.57 106.68,126.595 R16.1@106.8,126.475
NetLED3_1: LED3.1 R15.1 | length 5.1
  L1 w0.3: LED3.1@114.3,131.57 114.3,126.575 R15.1@114.4,126.475
NetLED4_1: LED4.1 R14.1 | length 5.1
  L1 w0.3: LED4.1@121.92,131.57 121.92,126.555 R14.1@122,126.475
NetLED5_1: LED5.1 R13.1 | length 5.2
  L1 w0.3: R13.1@129.4,126.475 129.54,126.615 LED5.1@129.54,131.57
NetLED6_1: LED6.1 R12.1 | length 5.1
  L1 w0.3: LED6.1@137.16,131.57 137.16,126.515 R12.1@137.2,126.475
NetLED7_1: LED7.1 R11.1 | length 5.3
  L1 w0.3: R11.1@144.775,126.3 144.78,126.305 LED7.1@144.78,131.57
NetLED8_1: LED8.1 R10.1 | length 5.2
  L1 w0.3: R10.1@152.375,126.475 152.47,126.57 LED8.1@152.47,131.6
NetQ1_1: Q1.1 R41.1 | length 2.8
  L1 w0.3: R41.1@167.673,133.61 Q1.1@169.422,135.359
  L1 w0.4: R41.1@167.335,133.61 R41.1@167.673,133.61
NetR2_2: R2.2 U2.1 U2.2 | length 3.5
  L1 w0.3: R2.2@78.925,43.575 78.975,43.625 U2.1@78.975,46.075 U2.2@79.925,46.075
NetR4_1: R4.1 R6.2 U3.4 | length 20.3
  L1 w0.5: R6.2@157.075,70.375 157.113,70.337 157.113,68.063 R4.1@157.15,68.025 157.25,68.025 158.4,69.175 v1(164.8,69.175) ; v1(169.975,67.675) 169.984,67.685 173.991,67.685 U3.4@174,67.694
  L2 w0.5: v1(164.8,69.175) 166.3,67.675 v1(169.975,67.675)
NetR7_1: R7.1 R9.2 U5.5 | length 6.2
  L1 w0.3: R9.2@139.765,69.505 139.805,69.545
  L1 w0.4: R9.2@139.125,69.925 139.125,68.818 139.34,68.603 139.34,67.82 R7.1@139.765,67.395 139.7,67.33 139.7,65.992 140.64,65.052 U5.5@140.64,64.433
NetR19_3: R19.3 U7.3 | length 13.5
  L1 w0.3: U7.3@76.27,31.69 76.27,33.1 77.82,34.65 84.043,34.65 84.443,34.25 85.832,34.25 86.425,34.843 R19.3@86.425,35.7
NetR19_4: R19.4 U7.1 | length 23.6
  L1 w0.3: v1(72.075,36.525) 72.075,33.345 U7.1@73.73,31.69 ; R19.4@86.975,35.7 87.825,35.7 v1(88.4,36.275)
  L2 w0.3: v1(72.075,36.525) 88.15,36.525 v1(88.4,36.275)
NetR20_2: R20.2 U8.3 | length 2.6
  L1 w0.3: U8.3@91.375,32.603 93.478,32.603 93.505,32.575 93.95,32.575 R20.2@93.975,32.55
NetR20_3: R20.3 U8.2 | length 2.6
  L1 w0.3: U8.2@91.375,31.948 93.428,31.948 93.505,32.025 93.95,32.025 R20.3@93.975,32.05
NetR20_4: R20.4 U8.1 | length 2.7
  L1 w0.3: U8.1@91.375,31.293 93.768,31.293 R20.4@93.975,31.5
NetR21_2: R21.2 SW3.4 U9.9 | length 13.2
  L1 w0.3: SW3.4@169.55,94.135 169.681,94.135 169.893,94.347 169.893,94.478 173.957,98.543 173.957,99.082 175.55,100.675 R21.2@176.2,100.675 178.76,100.675 179.206,100.23 U9.9@179.476,100.23
NetR32_2: R32.2 U11.6 | length 2.5
  L1 w0.3: R32.2@137.7,24.775 137.77,24.845 U11.6@140.2,24.845
NetR34_2: R34.2 U11.11 | length 7.8
  L1 w0.3: R34.2@141.95,33.375 141.95,30.56 145.125,27.385 U11.11@145.6,27.385